# Altium PCB ushio_rp2040.PcbDoc (continued)
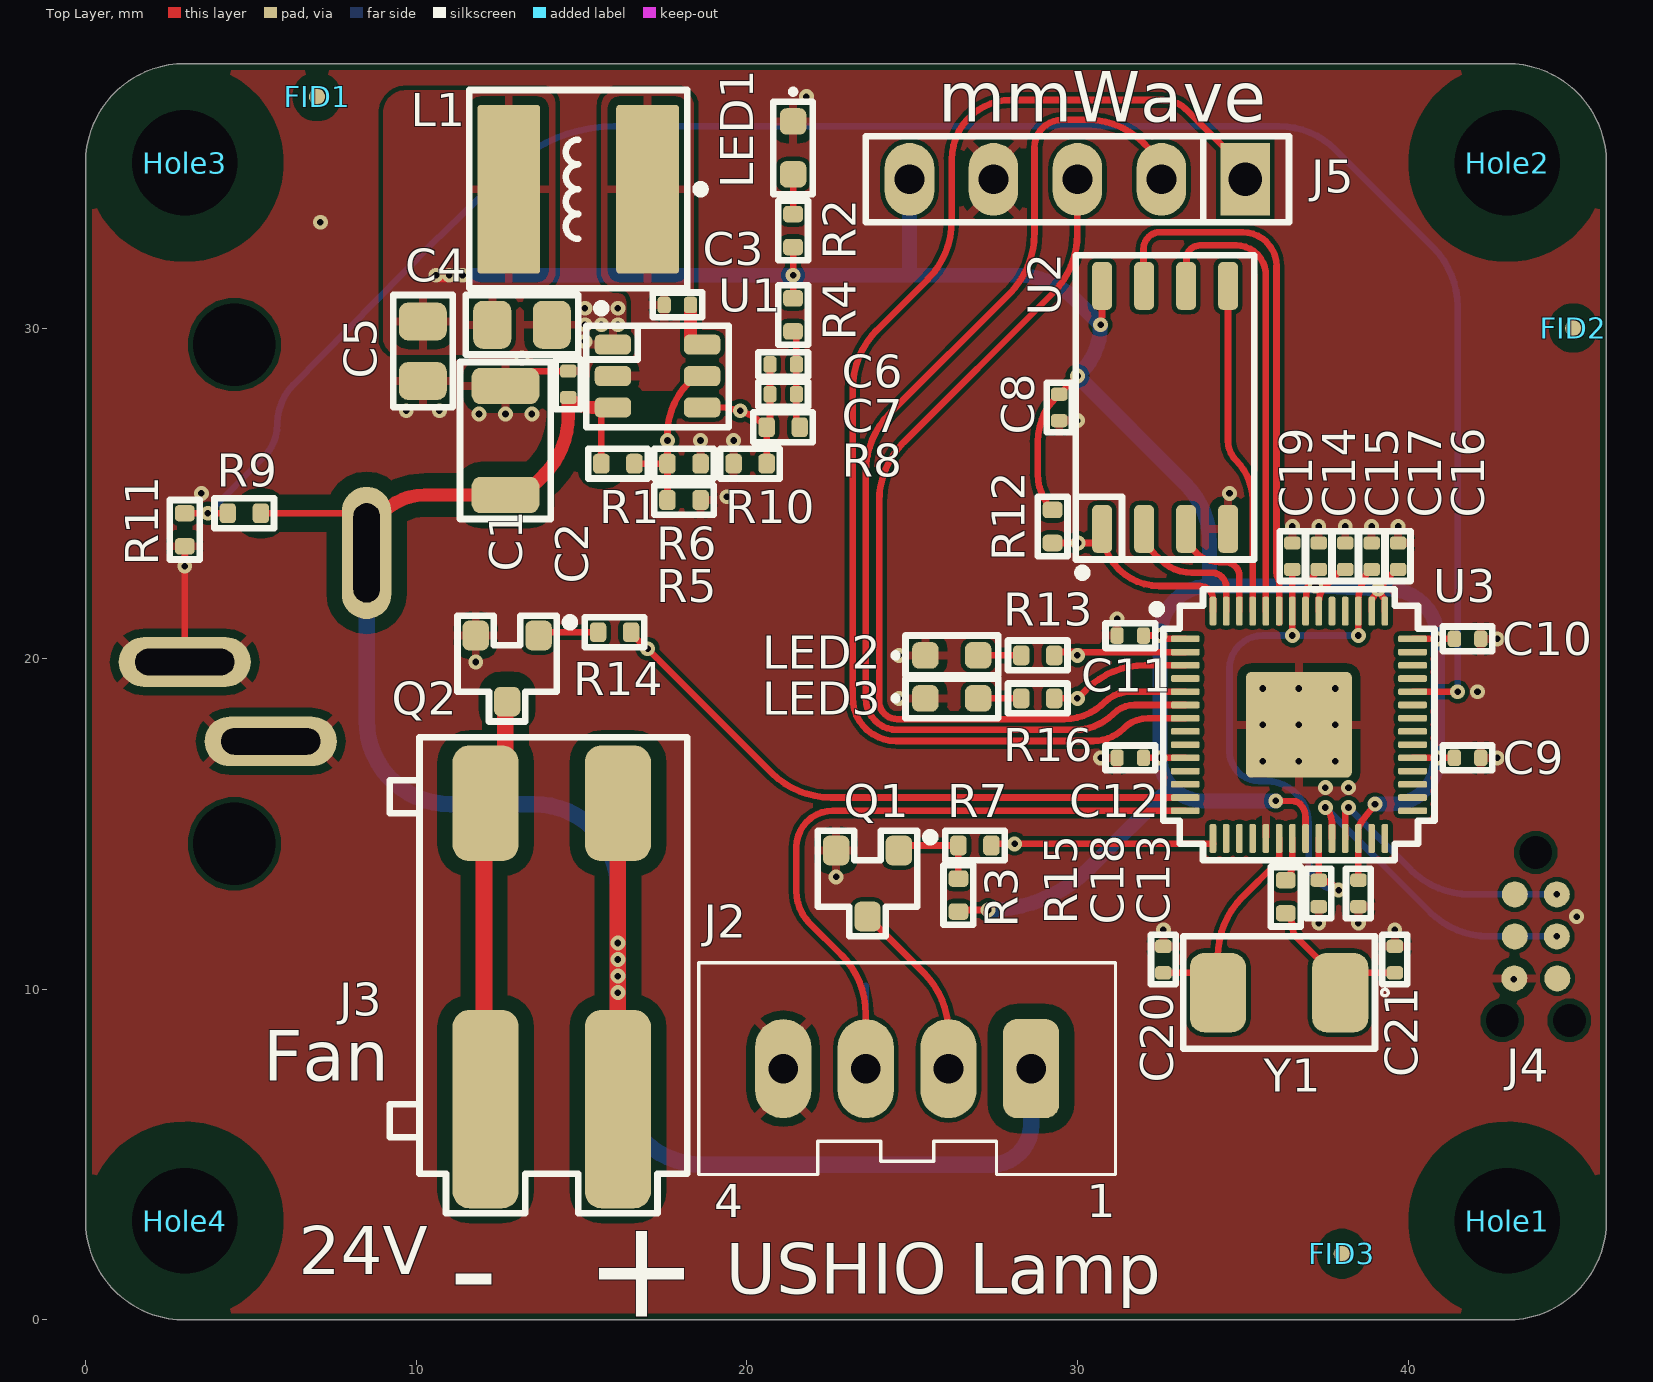
[diagram p0: Top Layer view]
## Part data (continued)
Q1 Q2: "N-FET, 30 V, 5.8 A, SOT-23-3", Drain Current-Max (Abs) (ID)=5.8A, Drain-source On Resistance-Max=28mR, DS Breakdown Voltage-Min=30V, Manufacturer=Diodes, Max Operating Temperature=150°C, Operating Mode="ENHANCEMENT MODE", Package=SOT-23-3, Package Body Material=Plastic, Package Shape=Rectangular, Package Style="SMALL OUTLINEMeter", Peak Reflow Temperature (Cel)=260°C, Power Dissipation-Max (Abs)=1.4W, Pulsed Drain Current-Max (IDM)=30A, Supplier Part Number 1=DMN3404LDITR-ND, Time @ Peak Reflow Temperature-Max (s)=40s, Additional Feature="HIGH RELIABILITY", Category=MOSFETs, ComponentLink1Description=https://datasheet.ciiva.com:443/pdfs/VipMasterIC/IC/DIOD/DIODS20277/DIODS20277-1.pdf?src-supplier=IHS+Markit, ComponentLink1URL=https://datasheet.ciiva.com:443/pdfs/VipMasterIC/IC/DIOD/DIODS20277/DIODS20277-1.pdf?src-supplier=IHS+Markit, ComponentLink2Description=https://datasheet.ciiva.com/4444/ds31787-65102-4444489.pdf?src-supplier=Mouser, ComponentLink2URL=https://datasheet.ciiva.com/4444/ds31787-65102-4444489.pdf?src-supplier=Mouser, ComponentLink3Description=https://datasheet.ciiva.com/8115/ds31787-8115384.pdf?src-supplier=Avnet, ComponentLink3URL=https://datasheet.ciiva.com/8115/ds31787-8115384.pdf?src-supplier=Avnet, ComponentLink4Description=https://datasheet.ciiva.com/16508/ds31787-16508477.pdf?src-supplier=Future+Electronics, ComponentLink4URL=https://datasheet.ciiva.com/16508/ds31787-16508477.pdf?src-supplier=Future+Electronics, ComponentLink5Description=https://datasheet.ciiva.com/8023/ds31787-8023981.pdf?src-supplier=Element14, ComponentLink5URL=https://datasheet.ciiva.com/8023/ds31787-8023981.pdf?src-supplier=Element14, ComponentLink6Description=https://datasheet.ciiva.com/934/ds31787-934594.pdf?src-supplier=Digi-Key, ComponentLink6URL=https://datasheet.ciiva.com/934/ds31787-934594.pdf?src-supplier=Digi-Key, ComponentLink7Description=https://datasheet.ciiva.com/934/ds31787-934595.pdf?src-supplier=Digi-Key, ComponentLink7URL=https://datasheet.ciiva.com/934/ds31787-934595.pdf?src-supplier=Digi-Key, ComponentLink8Description=https://datasheet.ciiva.com/934/ds31787-934593.pdf?src-supplier=Digi-Key, ComponentLink8URL=https://datasheet.ciiva.com/934/ds31787-934593.pdf?src-supplier=Digi-Key, Drain Current-Max (ID)=5.8A, FET Technology="METAL-OXIDE SEMICONDUCTOR", JESD-30 Code=R-PDSO-G3, JESD-609 Code=e3, Manufacturer Part Number=DMN3404L-7, Moisture Sensitivity Level=1, Number of Elements=1, Pins=3, Polarity/Channel Type=N-CHANNEL, Pricing 1="3000=0.07535, 6000=0.06781, 15000=0.06028, 30000=0.05651, 75000=0.05011, 150000=0.04822 (USD)", Qualification Status="Not Qualified", Reach SVHC Compliant=Yes, RoHS=Yes, RoHS Compliant=Yes, Stock 1=150000, Supplier 1=Digi-Key, Surface Mount=Yes, Terminal Finish=Tin, Terminal Form="Gull Wing", Terminal Position=DUAL, Transistor Application=SWITCHING, Transistor Element Material=SILICON
R1: "1 MΩ, 1%, 0402 Resistor", House Part Number=R-1M-0402-1%-001, Manufacturer=Yageo, Max Operating Temperature=155°C, Min Operating Temperature=-55°C, Package Height=0.35mm, Package Length=1mm, Package Shape=Rectangular, Package Style=SMTMeter, Package Width=0.5mm, Rated Power Dissipation (P)=62.5mW, Rated Temperature=70°C, Resistance=1MΩ, Resistor Type="FIXED RESISTOR", Supplier Part Number 1=311-1.00MLRCT-ND, Temperature Coefficient=100ppm/°C, Tolerance=1%, Working Voltage=50V, Additional Feature="LASER TRIMMABLE", Category="Chip SMD Resistors", ComponentLink1Description=https://datasheet.ciiva.com:443/pdfs/VipMasterIC/IC/YAGO/YAGO-S-A0008145938/YAGO-S-A0008145938-1.pdf?src-supplier=IHS+Markit, ComponentLink1URL=https://datasheet.ciiva.com:443/pdfs/VipMasterIC/IC/YAGO/YAGO-S-A0008145938/YAGO-S-A0008145938-1.pdf?src-supplier=IHS+Markit, ComponentLink2Description=http://www.farnell.com/datasheets/1836115.pdf?src-supplier=Farnell, ComponentLink2URL=http://www.farnell.com/datasheets/1836115.pdf?src-supplier=Farnell, ComponentLink3Description=http://www.farnell.com/datasheets/2167052.pdf?src-supplier=Farnell, ComponentLink3URL=http://www.farnell.com/datasheets/2167052.pdf?src-supplier=Farnell, ComponentLink4Description=http://www.farnell.com/datasheets/2167052.pdf?src-supplier=Element14, ComponentLink4URL=http://www.farnell.com/datasheets/2167052.pdf?src-supplier=Element14, Construction=Chip, JESD-609 Code=e3, Manufacturer Part Number=RC0402FR-071ML, Mount="Surface Mount", Number of Pins=2, Packaging="Tape and Reel", Pricing 1="1=0.10000, 10=0.01500, 100=0.00600, 1000=0.00267, 2500=0.00232, 5000=0.00192 (USD)", Reach SVHC Compliant=Yes, RoHS=Yes, RoHS Compliant=Yes, Size Code=0402, Stock 1=7104113, Supplier 1=Digi-Key, Technology="METAL GLAZE/THICK FILM", Terminal Finish=Nickel, Termination=Wraparound
R2 R7 R13 R14 R16: "100 Ω, 0402 Chip resistor", Case Code (Imperial)=0402, Case Code (Metric)=1005, Manufacturer="Stackpole Electronics", Max Operating Temperature=155°C, Max Power Dissipation=63mW, Min Operating Temperature=-55°C, Power Rating=62.5mW, Resistance=100Ω, Resistor Type="Thick Film", Supplier Part Number 1=RMCF0402FT100RCT-ND, Temperature Coefficient=100ppm/°C, Tolerance=1%, Case/Package=0402, Category="Chip SMD Resistors", ComponentLink1Description=http://components.arrow.com/part/dataview/50497758S7215546N1174?src-supplier=Arrow+Electronics, ComponentLink1URL=http://components.arrow.com/part/dataview/50497758S7215546N1174?src-supplier=Arrow+Electronics, ComponentLink2Description=https://www.seielect.com/catalog/sei-rmcf_rmcp.pdf?src-supplier=Digi-Key, ComponentLink2URL=https://www.seielect.com/catalog/sei-rmcf_rmcp.pdf?src-supplier=Digi-Key, ComponentLink3Description=https://www.seielect.com/Catalog/SEI-RMCF_RMCP.pdf?src-supplier=Avnet, ComponentLink3URL=https://www.seielect.com/Catalog/SEI-RMCF_RMCP.pdf?src-supplier=Avnet, ComponentLink4Description=https://www.verical.com/server-webapp/html/getDatasheet?partID=368652&src-supplier=Verical, ComponentLink4URL=https://www.verical.com/server-webapp/html/getDatasheet?partID=368652&src-supplier=Verical, ComponentLink5Description=https://www.seielect.com/Catalog/SEI-RMCF_RMCP.pdf?src-supplier=Avnet+Asia, ComponentLink5URL=https://www.seielect.com/Catalog/SEI-RMCF_RMCP.pdf?src-supplier=Avnet+Asia, Construction=Rectangular, Contact Plating=Tin,Matte, Depth=0.5mm, Features="Automotive AEC-Q200", Height=0.016inch, house_part_number=R-100-0402-1%-001, Lead Free="Lead Free", Length=1mm, Manufacturer Part Number=RMCF0402FT100R, Military Standard=Not, Mount="Surface Mount", Number of Terminations=2, Packaging="Tape and Reel", Pricing 1="1=0.10000, 10=0.01300, 100=0.00530, 1000=0.00238, 2500=0.00207, 5000=0.00171 (USD)", RoHS=Yes, RoHS Compliant=Yes, Series=RMCF, Stock 1=188482, Supplier 1=Digi-Key, Width=0.02inch
R3 R11 R12: "10 kΩ, 0402 Chip resistor", Case Code (Imperial)=0402, Case Code (Metric)=1005, Manufacturer="Stackpole Electronics", Max Operating Temperature=155°C, Max Power Dissipation=63mW, Min Operating Temperature=-55°C, Power Rating=62.5mW, Resistance=10kΩ, Resistor Type="Thick Film", Supplier Part Number 1=RMCF0402FT10K0CT-ND, Temperature Coefficient=100ppm/°C, Tolerance=1%, Case/Package=0402, Category="Chip SMD Resistors", ComponentLink1Description=https://datasheet.ciiva.com/24341/sei-rmcp-24341800.pdf?src-supplier=Onlinecomponents.com, ComponentLink1URL=https://datasheet.ciiva.com/24341/sei-rmcp-24341800.pdf?src-supplier=Onlinecomponents.com, Construction=Rectangular, Contact Plating=Tin,Matte, Depth=0.5mm, Features="Automotive AEC-Q200", Height=0.016inch, house_part_number=R-10k-0402-1%-001, Lead Free="Lead Free", Length=1mm, Manufacturer Part Number=RMCF0402FT10K0, Military Standard=Not, Mount="Surface Mount", Number of Terminations=2, Packaging="Tape and Reel", Pricing 1="1=0.10000, 10=0.01300, 100=0.00530, 1000=0.00239, 2500=0.00207, 5000=0.00171 (USD)", Radiation Hardening=No, RoHS=Yes, RoHS Compliant=Yes, Series=RMCF, Size Code=0402, Stock 1=7219214, Supplier 1=Digi-Key, Width=0.02inch
R4: "49.9 Ω, 0402 Chip resistor", Case Code (Imperial)=0402, Case Code (Metric)=1005, Manufacturer="Stackpole Electronics", Max Operating Temperature=155°C, Max Power Dissipation=63mW, Min Operating Temperature=-55°C, Resistance=49.9Ω, Resistor Type="Thick Film", Supplier Part Number 1=RMCF0402FT49R9CT-ND, Temperature Coefficient=100ppm/°C, Tolerance=1%, Case/Package=0402, Category="Chip SMD Resistors", ComponentLink1Description=http://components.arrow.com/part/dataview/44987983S6966749N1174?src-supplier=Arrow+Electronics, ComponentLink1URL=http://components.arrow.com/part/dataview/44987983S6966749N1174?src-supplier=Arrow+Electronics, ComponentLink2Description=https://www.verical.com/server-webapp/html/getDatasheet?partID=362596&src-supplier=Verical, ComponentLink2URL=https://www.verical.com/server-webapp/html/getDatasheet?partID=362596&src-supplier=Verical, ComponentLink3Description=http://www.seielect.com/Catalog/SEI-RMCF_RMCP.pdf?src-supplier=Future+Electronics, ComponentLink3URL=http://www.seielect.com/Catalog/SEI-RMCF_RMCP.pdf?src-supplier=Future+Electronics, ComponentLink4Description=https://www.seielect.com/catalog/SEI-RMCF_RMCP.pdf?src-supplier=Avnet, ComponentLink4URL=https://www.seielect.com/catalog/SEI-RMCF_RMCP.pdf?src-supplier=Avnet, ComponentLink5Description=https://www.seielect.com/Catalog/SEI-RMCF_RMCP.pdf?src-supplier=Digi-Key, ComponentLink5URL=https://www.seielect.com/Catalog/SEI-RMCF_RMCP.pdf?src-supplier=Digi-Key, Construction=Rectangular, Contact Plating=Tin,Matte, Depth=0.5mm, Features="Automotive AEC-Q200", Height=0.016inch, house_part_number=R-49.9-0402-1%-001, Lead Free="Lead Free", Length=1mm, Manufacturer Part Number=RMCF0402FT49R9, Military Standard=Not, Mount="Surface Mount", Number of Terminations=2, Packaging="Tape and Reel", Power Rating=63mW, Pricing 1="1=0.10000, 10=0.01300, 100=0.00530, 1000=0.00238, 2500=0.00207, 5000=0.00171 (USD)", Radiation Hardening=No, RoHS=Yes, RoHS Compliant=Yes, Series=RMCF, Size Code=0402, Stock 1=723706, Supplier 1=Digi-Key, Width=0.02inch
R5 R6 R8 R9: "100 kΩ, 0402 Chip resistor", Case/Package=0402, Manufacturer="Stackpole Electronics", Max Operating Temperature=155°C, Min Operating Temperature=-55°C, Package Height=0.3mm, Package Length=1mm, Package Shape=Rectangular, Package Style=SMTMeter, Package Width=0.5mm, Power=63mW, Rated Temperature=70°C, Resistor Type="FIXED RESISTOR", Supplier Part Number 1=RMCF0402FT100KCT-ND, Temperature Coefficient=100ppm/°C, Tolerance=1%, Working Voltage=50V, Category="Chip SMD Resistors", ComponentLink1Description=https://datasheet.ciiva.com:443/pdfs/VipMasterIC/IC/SEIE/SEIE-S-A0009541969/SEIE-S-A0009541969-1.pdf?src-supplier=IHS+Markit, ComponentLink1URL=https://datasheet.ciiva.com:443/pdfs/VipMasterIC/IC/SEIE/SEIE-S-A0009541969/SEIE-S-A0009541969-1.pdf?src-supplier=IHS+Markit, ComponentLink2Description=https://datasheet.ciiva.com/15193/getdatasheetpartid-482656-15193415.pdf?src-supplier=Verical, ComponentLink2URL=https://datasheet.ciiva.com/15193/getdatasheetpartid-482656-15193415.pdf?src-supplier=Verical, Construction=Rectangular, JESD-609 Code=e3, Manufacturer Part Number=RMCF0402FT100K, Mounting Technology="Surface Mount", Packaging="Tape and Reel", Pins=2, Pricing 1="1=0.1, 10=0.02, 50=0.011, 100=0.0089, 500=0.00566, 1000=0.00475, 5000=0.00328 (USD)", Reach SVHC Compliant=Yes, Reference Standard=AEC-Q200, RoHS=Yes, RoHS Compliant=Yes, Stock 1=3573736, Supplier 1=Digi-Key, Technology="METAL GLAZE/THICK FILM", Terminal Finish=Nickel, Termination=Wraparound
R10: "22.1 kΩ, 1%, 0402 Chip resistor", Case/Package=0402, Manufacturer="Stackpole Electronics", Max Operating Temperature=155°C, Min Operating Temperature=-55°C, Package Height=0.3mm, Package Length=1mm, Package Shape=Rectangular, Package Style=SMTMeter, Package Width=0.5mm, Power=63mW, Rated Temperature=70°C, Resistor Type="FIXED RESISTOR", Supplier Part Number 1=RMCF0402FT22K1DKR-ND, Temperature Coefficient=100ppm/°C, Tolerance=1%, Working Voltage=50V, Category="Chip SMD Resistors", ComponentLink1Description=https://datasheet.ciiva.com:443/pdfs/VipMasterIC/IC/SEIE/SEIE-S-A0009541969/SEIE-S-A0009541969-1.pdf?src-supplier=IHS+Markit, ComponentLink1URL=https://datasheet.ciiva.com:443/pdfs/VipMasterIC/IC/SEIE/SEIE-S-A0009541969/SEIE-S-A0009541969-1.pdf?src-supplier=IHS+Markit, ComponentLink2Description=http://components.arrow.com/part/dataview/50500388S32218N1174?src-supplier=Arrow+Electronics, ComponentLink2URL=http://components.arrow.com/part/dataview/50500388S32218N1174?src-supplier=Arrow+Electronics, ComponentLink3Description=https://www.seielect.com/catalog/SEI-RMCF_RMCP.pdf?src-supplier=Avnet, ComponentLink3URL=https://www.seielect.com/catalog/SEI-RMCF_RMCP.pdf?src-supplier=Avnet, ComponentLink4Description=https://www.seielect.com/Catalog/SEI-RMCF_RMCP.pdf?src-supplier=Digi-Key, ComponentLink4URL=https://www.seielect.com/Catalog/SEI-RMCF_RMCP.pdf?src-supplier=Digi-Key, ComponentLink5Description=https://www.seielect.com/catalog/SEI-Packaging.pdf?src-supplier=Digi-Key, ComponentLink5URL=https://www.seielect.com/catalog/SEI-Packaging.pdf?src-supplier=Digi-Key, Construction=Rectangular, JESD-609 Code=e3, Manufacturer Part Number=RMCF0402FT22K1, Mounting Technology="Surface Mount", Packaging="Tape and Reel", Pins=2, Pricing 1="1=0.1, 10=0.02, 50=0.011, 100=0.0089, 500=0.00566, 1000=0.00475, 5000=0.00328 (USD)", Reach SVHC Compliant=Yes, Reference Standard=AEC-Q200, RoHS=Yes, RoHS Compliant=Yes, Stock 1=536826, Supplier 1=Digi-Key, Technology="METAL GLAZE/THICK FILM", Terminal Finish=Nickel, Termination=Wraparound
R15: "1 kΩ, 0402 Chip resistor", Manufacturer=Bourns, Max Operating Temperature=125°C, Min Operating Temperature=-55°C, Package Height=0.35mm, Package Length=1mm, Package Shape=Rectangular, Package Style=SMTMeter, Package Width=0.5mm, Rated Power Dissipation (P)=62.5mW, Rated Temperature=70°C, Resistance=1kΩ, Resistor Type="FIXED RESISTOR", Supplier Part Number 1=CR0402-FX-1001GLFTR-ND, Temperature Coefficient=100ppm/°C, Tolerance=1%, Working Voltage=50V, Category="Chip SMD Resistors", ComponentLink1Description=https://datasheet.ciiva.com:443/pdfs/VipMasterIC/IC/BOUR/BOUR-S-A0008953887/BOUR-S-A0008953887-1.pdf?src-supplier=IHS+Markit, ComponentLink1URL=https://datasheet.ciiva.com:443/pdfs/VipMasterIC/IC/BOUR/BOUR-S-A0008953887/BOUR-S-A0008953887-1.pdf?src-supplier=IHS+Markit, ComponentLink2Description=https://datasheet.ciiva.com/5734/1845296-5734926.pdf?src-supplier=Farnell, ComponentLink2URL=https://datasheet.ciiva.com/5734/1845296-5734926.pdf?src-supplier=Farnell, ComponentLink3Description=https://datasheet.ciiva.com/11821/0900766b80fcdb41-11821108.pdf?src-supplier=RSComponents, ComponentLink3URL=https://datasheet.ciiva.com/11821/0900766b80fcdb41-11821108.pdf?src-supplier=RSComponents, ComponentLink4Description=https://datasheet.ciiva.com/9123/cr0402-9123631.pdf?src-supplier=Avnet, ComponentLink4URL=https://datasheet.ciiva.com/9123/cr0402-9123631.pdf?src-supplier=Avnet, ComponentLink5Description=https://datasheet.ciiva.com/30154/cr0402-30154590.pdf?src-supplier=Onlinecomponents.com, ComponentLink5URL=https://datasheet.ciiva.com/30154/cr0402-30154590.pdf?src-supplier=Onlinecomponents.com, Construction=Chip, JESD-609 Code=e3, Manufacturer Part Number=CR0402-FX-1001GLF, Mount="Surface Mount", Number of Pins=2, Packaging="Tape and Reel", Pricing 1="10000=0.00114 (USD)", REACH SVHC=Yes, RoHS=Yes, RoHS Compliant=Yes, Size Code=0402, Stock 1=398310, Supplier 1=Digi-Key, Technology="RUTHENIUM OXIDE", Terminal Finish=Nickel, Termination=Wraparound
TP1 TP2 TP3 TP4 TP5 TP6 TP7 TP8 TP9 TP10 TP11 TP12: "Test point", pickable=no
U1: library part TPS54202DDCR, "Switching Regulator, Current-mode, 2A, 500kHz Switching Freq-Max, PDSO6", Case/Package=SOT-23-6, Frequency=590kHz, Manufacturer="Texas Instruments", Max Operating Temperature=125°C, Max Output Current=3.9A, Max Supply Voltage=28V, Min Input Voltage=4.5V, Min Operating Temperature=-40°C, Nominal Supply Voltage=12V, Package Body Material=Plastic, Package Shape=Rectangular, Package Style="SMALL OUTLINE, THIN PROFILE, SHRINK PITCHMeter", Supplier Part Number 1=296-TPS54202DDCRDKR-ND, Temperature Grade=AUTOMOTIVE, Category="Voltage Regulators - Switching", Channels=1, ComponentLink1Description=https://www.ti.com:443/lit/ds/symlink/tps54202.pdf?src-supplier=IHS+Markit, ComponentLink1URL=https://www.ti.com:443/lit/ds/symlink/tps54202.pdf?src-supplier=IHS+Markit, ComponentLink2Description=http://www.ti.com/general/docs/suppproductinfo.tsp?distId=10&gotoUrl=http%3A%2F%2Fwww.ti.com%2Flit%2Fgpn%2Ftps54202&src-supplier=Digi-Key, ComponentLink2URL=http://www.ti.com/general/docs/suppproductinfo.tsp?distId=10&gotoUrl=http%3A%2F%2Fwww.ti.com%2Flit%2Fgpn%2Ftps54202&src-supplier=Digi-Key, ComponentLink3Description=http://www.ti.com/lit/ds/symlink/tps54202.pdf?src-supplier=Digi-Key, ComponentLink3URL=http://www.ti.com/lit/ds/symlink/tps54202.pdf?src-supplier=Digi-Key, ComponentLink4Description=http://www.ti.com/general/docs/suppproductinfo.tsp?distId=10&amp;gotoUrl=http%3A%2F%2Fwww.ti.com%2Flit%2Fgpn%2Ftps54202&src-supplier=Digi-Key, ComponentLink4URL=http://www.ti.com/general/docs/suppproductinfo.tsp?distId=10&amp;gotoUrl=http%3A%2F%2Fwww.ti.com%2Flit%2Fgpn%2Ftps54202&src-supplier=Digi-Key, Control Mode=CURRENT-MODE, Control Technique="PULSE WIDTH MODULATION", Height - Seated (Max)=1.1mm, JESD-30 Code=R-PDSO-G6, JESD-609 Code=e3, Length=2.9mm, Manufacturer Part Number=TPS54202DDCR, Moisture Sensitivity Level=1, Pins=6, Pricing 1="1=1.29, 10=1.154, 25=1.0956, 100=0.9001, 250=0.8414, 500=0.74356, 1000=0.58702 (USD)", Reach SVHC Compliant=Yes, RoHS=Yes, RoHS Compliant=Yes, Stock 1=4766, Supplier 1=Digi-Key, Surface Mount=Yes, Switcher Configuration=BUCK, Terminal Finish=Tin, Terminal Form="Gull Wing", Terminal Pitch=0.95mm, Terminal Position=DUAL, Throw Configuration="SWITCHING REGULATOR", Width=1.6mm
U2: library part "W25Q128JVSIM TR", "128Mb SPI flash memory", Case/Package=SOIC-8, Frequency=133MHz, Manufacturer=Winbond, Max Operating Temperature=85°C, Min Operating Temperature=-40°C, Supplier Part Number 1=W25Q128JVSIMCT-ND, ComponentLink1Description=http://www.winbond.com/resource-files/w25q128jv_dtr%20revc%2003272018%20plus.pdf?src-supplier=Digi-Key, ComponentLink1URL=http://www.winbond.com/resource-files/w25q128jv_dtr%20revc%2003272018%20plus.pdf?src-supplier=Digi-Key, house_part_number=W25Q128JVSIM, Manufacturer Part Number="W25Q128JVSIM TR", Memory Size=128Mb, Memory Type=Non-Volatile,FLASH, Mount="Surface Mount", Number of Pins=8, Packaging="Cut Tape", Pricing 1="1=1.69, 10=1.545, 25=1.5028, 50=1.495, 100=1.3364, 250=1.3325, 500=1.3124, 1000=1.2567 (USD)", Stock 1=0, Supplier 1=Digi-Key
U3: "Raspberry Pi microcontroller, QFN-56", Manufacturer="Raspberry Pi", Package=QFN-56, Supplier Part Number=49AJ8739, Category=Uncategorized, Manufacturer Part Number=RP2040, Pricing="1=1 (USD)", RoHS=No, Stock=720, Supplier=Newark
Y1: "8 MHz crystal, 20 pF, ±50ppm, SMD-5032", Frequency=8MHz, Manufacturer=YXC, Package=SMD-5032, Supplier Part Number 1=C115962, Manufacturer Part Number=X50328MSB2GI, Pricing 1="5=0.1818, 50=0.1439, 150=0.1254, 1000=0.1089, 2000=0.1043, 5000=0.1016 (USD)", RoHS=No, Stock 1=138605, Supplier 1=LCSC

## Via types
v1: diameter 0.45, hole 0.2, Top Layer to Bottom Layer, tented both sides, 79 vias
v2: diameter 0.5, hole 0.2, Top Layer to Bottom Layer, 9 vias

## Nets (pads, with @x,y where several pads share a name; then routed paths per layer and width w, separated by ;. In a path a pad name is that pad's centre, name@x,y a point inside that pad or via, vN(x,y) a via of type N, cw(c..) or ccw(c..) an arc to the next point about the centre after c; other vN are vias at no path point)
+3.3V: C4.2 C5.2 C8.2 C9.2 C10.2 C11.2 C12.2 C13.2 C14.2 C15.2 C16.2 J5.5 L1.2 R2.2 R3.1 R4.2 R12.2 TP2.1 U2.8 U3.1 U3.10 U3.22 U3.26 U3.33 U3.42 U3.43 U3.44 U3.48 U3.49 | length 87.5
  Top Layer w0.2: R4.2 R2.2 ; R3.1@26.279,12.3 ccw(c26.279,12.471) R3.1 cw(c26.521,12.229) 26.521,12.4 v1(27.3,12.4) ; R12.2 cw(c30.336,25.586) 28.8,25.586 28.8,26.554 cw(c30.723,26.554) 28.928,27.242 28.995,27.417 cw(c29.3,27.3) 29.03,27.485 29.136,27.639 cw(c30.723,26.554) 29.317,27.866 29.334,27.884 29.349,27.9 29.363,27.913 C8.2 v1(30.001,28.551) ; 30.745,30.347 U2.8 ; C12.2 v1(32.5,17) U3.10 ; C11.2 v1(32.5,20.7) ; v1@32.5,20.6 U3.1 ; v1(36,15.7) 36.554,15.689 cw(c36.55,15.489) 36.627,15.674 cw(c36.495,15.355) 36.739,15.599 cw(c36.351,15.21) 36.9,15.21 U3.22 ; U3.49 36.9,21.734 cw(c38.266,21.734) 36.901,21.776 cw(c38.266,21.734) C14.2 ; U3.48 37.3,21.717 cw(c37.983,21.717) 37.5,22.2 37.929,22.629 cw(c38.1,22.459) C15.2 ; C13.2 U3.26 38.5,14.804 cw(c38.945,14.804) 38.519,14.932 38.611,15.09 cw(c38.85,14.95) 38.63,15.119 v1(39,15.6) ; U3.44 38.9,21.775 v1(39.1,22.1) ; U3.43 39.3,21.775 39.176,21.957 cw(c39.342,22.069) 39.164,21.977 v1(39.1,22.1) ; C16.2 39.55,22.6 v1(39.1,22.1) ; U3.33 v1(40.9,17) C9.2 ; U3.42 v1(40.9,20.6) C10.2
  Top Layer w0.45: v1(10.6,31.6) v1(11,31.6)
  Bottom Layer w0.45: v1(10.6,31.6) v1(11,31.6) v1(11.4,31.6) v1(21.4,31.6) 24.9,31.6 ; J5.5 24.92,31.648 cw(c24.852,31.648) 24.9,31.6 ; v1(27.3,12.4) ccw(c27.3,16.746) 30.372,13.672 32.8,16.1 ; v1(36,15.7) 33.8,15.7 cw(c33.8,17) v1(32.5,17) v1(32.5,20.7) cw(c34,20.7) 34,22.2 ; v1(39,15.6) 39.5,15.6 ccw(c39.5,17) v1(40.9,17) 40.9,18.929 ccw(c40.45,18.929) 40.899,18.959 cw(c41.5,19) 40.899,19.041 ccw(c40.45,19.071) 40.9,19.071 v1(40.9,20.6) ccw(c39.4,20.6) 39.4,22.1 v1(39.1,22.1) ; v1@39.13,22.097 ccw(c39.075,21.651) 39.102,22.1 v1(39.1,22.1) ; 24.9,31.6 28.148,31.6 cw(c28.148,29.06) 29.944,30.856 v1(30.7,30.1) cw(c28.648,30.1) 30.099,28.649 v1(30.001,28.551) 33.256,25.296 cw(c31.46,23.5) 34,23.5 34,22.2 ; 34,22.2 v1(37.2,22.2) v1(39.1,22.1)
+24V: C1.2 C2.2 J1.5 J2.1 J3.1 R1.2 R9.2 TP1.1 U1.3 | length 65.4
  Top Layer w0.2: R9.2 J1.5@8.6,24.4 ; R1.2 U1.3@15.6,27.6
  Top Layer w0.4: J1.5 cw(c10.25,23.2) 10.25,24.95 C1.2 ccw(c12.7,26.278) 13.639,25.339 13.856,25.556 ccw(c12.06,27.352) 14.6,27.352 C2.2 ccw(c15.324,28.624) 15.324,27.6 15.6,27.6 U1.3
  Top Layer w0.5: J3.1@16.1,6.375 v1(16.1,9.9) v1(16.1,10.4) v1(16.1,10.9) v1(16.1,11.4) J3.1@16.1,15.625
  Bottom Layer w0.2: J1.5 cw(c10.2,23.2) 10.2,24.9 TP1.1
  Bottom Layer w0.5: J1.5 8.5,18.14 ccw(c11.04,18.14) 11.04,15.6 13.56,15.6 cw(c13.56,13.06) 16.1,13.06 v1(16.1,11.4) v1(16.1,10.9) v1(16.1,10.4) v1(16.1,9.9) 16.1,7.24 ccw(c18.64,7.24) 18.64,4.7 27.4,4.7 ccw(c27.4,5.9) 28.6,5.9 J2.1
\LAMP_ENABLE: R7.1 TP7.1 U3.15 | length 6.7
  Top Layer w0.2: R7.1 27.525,14.4 U3.15@34.1,14.4
  other v1: 28.1,14.4
\LAMP_STATUS: J2.3 TP5.1 U3.14 | length 22.3
  Top Layer w0.2: J2.3 23.6,9.248 ccw(c21.06,9.248) 22.856,11.044 21.9,12 cw(c22.866,12.966) 21.5,12.966 21.5,14.3 cw(c22.6,14.3) 22.6,15.4 U3.14
  Bottom Layer w0.2: J2.3 TP5.1
FAN_ENABLE: R14.1 TP11.1 U3.13 | length 18.7
  Top Layer w0.2: R14.1 16.625,20.625 16.989,20.31 cw(c16.858,20.159) v1@16.999,20.301 ; v1(17,20.3) 20.756,16.544 ccw(c22.552,18.34) 22.552,15.8 U3.13
GND: C1.1 C2.1 C4.1 C5.1 C8.1 C9.1 C10.1 C11.1 C12.1 C13.1 C14.1 C15.1 C16.1 C17.1 C18.1 C19.1 C20.1 C21.1 J1.2 J1.3 J2.4 J4.5 J5.4 LED1.2 LED2.2 LED3.2 Q1.2 Q2.2 R5.1 R6.1 R10.1 R11.1 TP6.1 U1.1 U2.4 U3.19 U3.EP | length 5.7
  Top Layer w0.2: J1.2 R11.1 ; C1.1 cw(c13.15,28.25) 13.15,28.7 C2.1
  other v1: 43.2,10.3 32.6,11.8 39.6,11.8 37.3,12 38.5,12 45.1,12.2 22.7,13.4 37.5,16.1 38.2,16.1 30.7,17 42.7,17 24.6,18.8 42.1,19 11.8,19.9 24.6,20.1 42.7,20.6 31.2,21.2 3,22.8 36.5,24 37.3,24 38.1,24 38.9,24 39.7,24 19.4,24.9 3.5,25 34.6,25 18.6,26.6 19.6,26.6 30,27.2 11.9,27.4 12.7,27.4 13.5,27.4 9.7,27.5 10.7,27.5 13.2,29.1 15.1,29.6 15.1,30.1 15.6,30.1 16.1,30.1 15.1,30.6 15.6,30.6 16.1,30.6 7.1,33.2 21.8,37
  other v2: 35.6,16.9 36.7,16.9 37.8,16.9 35.6,18 36.7,18 37.8,18 35.6,19.1 36.7,19.1 37.8,19.1
LED0: R13.2 TP10.1 U3.2 | length 4.1
  Top Layer w0.2: R13.2 29.402,20.202 30,20.201 v1@30.1,20.201 ; v1(30,20.1) 30.102,20.202 32.7,20.2 U3.2
LED1: R16.2 TP12.1 U3.3 | length 4.3
  Top Layer w0.2: R16.2 v1(30,18.8) 30.256,19.056 cw(c32.052,17.26) 32.052,19.8 U3.3
MMWAVE_OUT: J5.3 U3.5 | length 27.8
  Top Layer w0.2: J5.3 30,32.852 cw(c27.46,32.852) 29.256,31.056 24.744,26.544 ccw(c26.54,24.748) 24,24.748 24,18.726 ccw(c24.553,18.726) 24.553,18.173 29.594,18.173 ccw(c29.594,19.9) 30.552,18.463 ccw(c29.594,19.9) 30.607,18.501 ccw(c29.594,19.9) 30.815,18.679 cw(c31.591,17.904) 31.591,19 U3.5
MMWAVE_RX: J5.2 U3.6 | length 34.2
  Top Layer w0.2: J5.2 ccw(c31.188,34.5) 32.144,35.456 32,35.6 ccw(c30.31,33.91) 30.31,36.3 29.544,36.3 ccw(c29.544,35.456) 28.7,35.456 28.7,32.852 cw(c26.16,32.852) 27.956,31.056 24.344,27.444 ccw(c26.14,25.648) 23.6,25.648 23.6,18.799 ccw(c24.553,18.799) 24.553,17.846 29.916,17.846 ccw(c29.916,19.494) 30.706,18.048 ccw(c29.916,19.494) 30.808,18.108 ccw(c29.916,19.494) 31.081,18.329 cw(c31.737,17.673) 31.737,18.6 U3.6
MMWAVE_TX: J5.1 U3.7 | length 39.3
  Top Layer w0.2: U3.7 32.143,18.2 ccw(c32.143,17.157) 31.637,18.069 ccw(c32.143,17.157) 31.499,17.978 ccw(c32.143,17.157) 31.405,17.894 cw(c30.475,18.824) 31.057,17.645 cw(c30.475,18.824) 30.475,17.509 24.518,17.509 cw(c24.518,18.828) 23.2,18.828 23.2,28.148 cw(c25.74,28.148) 23.944,29.944 25.456,31.456 ccw(c23.66,33.252) 26.2,33.252 26.2,35.1 cw(c28,35.1) 28,36.9 32.6,36.9 cw(c32.6,35.934) 33.283,36.617 34.43,35.47 J5.1
NetC3_1: C3.1 L1.1 U1.2
NetC3_2: C3.2 U1.6 | length 1.1
  Top Layer w0.4: U1.6@18.3,29.6 C3.2
NetC6_1: C6.1 C7.1 R8.1 R10.2 TP4.1 U1.4 | length 5.1
  Top Layer w0.2: U1.4 19.151,27.6 cw(c19.151,25.551) R8.1 ; R10.2 R8.1 ; C6.1 C7.1 20.7,27.241 cw(c20.359,27.241) R8.1
  other v1: 19.8,27.5
NetC6_2: C6.2 C7.2 R4.1 R8.2 | length 3
  Top Layer w0.2: R4.1 cw(c21.159,29.659) 21.5,29.659 C6.2 C7.2 21.5,27.241 ccw(c21.841,27.241) R8.2
NetC17_2: C17.2 C18.2 C19.2 U3.23 U3.45 U3.50 | length 19.2
  Top Layer w0.2: v1(36.5,20.7) U3.50 C19.2 ; U3.23 C18.2 cw(c37.3,12.576) 37.812,13.088 v1(37.9,13) ; v1(38.5,20.7) U3.45 38.5,21.734 cw(c39.866,21.734) 38.615,22.283 38.713,22.513 38.75,22.6 C17.2
  Bottom Layer w0.2: v1(37.9,13) cw(c37.9,13.9) 37,13.9 37,15 ccw(c35.7,15) 35.7,16.3 35.5,16.3 cw(c35.5,17.2) 34.6,17.2 34.6,19.7 cw(c35.6,19.7) 35.6,20.7 v1(36.5,20.7) v1(38.5,20.7)
NetC20_2: C20.2 U3.20 Y1.2 | length 7
  Top Layer w0.2: C20.2 Y1.2@34.25,10.5 ; Y1.2 Y1.2@34.25,10.5 ; U3.20 36.1,14.041 cw(c35.759,14.041) 36,13.8 34.994,12.794 ccw(c36.79,10.998) 34.25,10.998 Y1.2@34.25,10.5
NetC21_2: C21.2 R15.1 Y1.1 | length 4.9
  Top Layer w0.2: R15.1 36.359,12.241 cw(c36.017,11.9) 36.5,11.9 ccw(c36.983,11.9) 36.641,11.559 Y1.1@37.95,10.25 ; Y1.1 Y1.1@37.95,10.25 ; C21.2 37.95,10.5 Y1.1@37.95,10.25
NetJ2_2: J2.2 Q1.3 | length 5.5
  Top Layer w0.2: Q1.3 25.356,10.494 cw(c23.56,8.698) 26.05,9.199 cw(c23.56,8.698) 26.1,8.698 J2.2
NetJ3_2: J3.2 Q2.3 | length 12.7
  Top Layer w0.5: J3.2@12.05,15.625 12.05,6.496 ccw(c12.221,6.496) J3.2@12.1,6.375 ; J3.2@12.1,15.625 12.6,16.125 12.633,16.182 ccw(c12.2,16.432) 12.7,16.432 Q2.3@12.7,18.877
NetLED1_1: LED1.1 R2.1 | length 1.2
  Top Layer w0.2: R2.1 LED1.1
NetLED2_1: LED2.1 R13.1 | length 1.3
  Top Layer w0.2: LED2.1 R13.1
NetLED3_1: LED3.1 R16.1 | length 1.3
  Top Layer w0.2: LED3.1 R16.1
NetQ1_1: Q1.1 R3.2 R7.2 | length 2.8
  Top Layer w0.2: Q1.1 cw(c24.962,13.838) 24.962,14.35 R7.2 R3.2
NetQ2_1: Q2.1 R14.2 | length 1.8
  Top Layer w0.2: Q2.1 cw(c13.939,20.462) 13.939,20.8 R14.2
NetR1_1: R1.1 R5.2 R6.2 TP3.1 U1.5 | length 5.1
  Top Layer w0.2: R1.1@16.725,26.075 R1.1 R6.2 ; v1@17.501,26.532 ccw(c17.4,26.704) 17.515,26.54 17.598,26.599 ccw(c17.484,26.763) v1(17.6,26.6) ; R5.2 R6.2 ; U1.5@18.248,28.356 ccw(c19.813,26.791) 17.6,26.791 v1(17.6,26.6) ; R6.2 v1(17.6,26.6)
NetR15_2: R15.2 U3.21 | length 1.3
  Top Layer w0.2: R15.2 ccw(c35.817,13.783) 36.5,13.783 U3.21
QSPI_SCLK: U2.6 U3.52 | length 14.1
  Top Layer w0.2: U2.6 33.3,31.275 33.3,32.1 cw(c33.7,32.1) 33.7,32.5 34.8,32.5 cw(c34.8,31.6) 35.695,31.696 ; 35.696,23.999 35.696,23.5 35.696,22.6 ccw(c36.35,22.6) 35.699,22.537 cw(c35.5,22.517) 35.7,22.517 U3.52 ; 35.696,24 35.696,31.676 ccw(c35.496,31.676) 35.695,31.696
QSPI_SDO0: U2.5 U3.53 | length 10
  Top Layer w0.2: U2.5 34.555,26.592 ccw(c35.392,26.592) 34.8,26 cw(c33.593,24.793) 35.182,25.417 cw(c33.593,24.793) 35.3,24.793 U3.53
QSPI_SDO1: U2.2 U3.55 | length 4.2
  Top Layer w0.2: U2.2 ccw(c33.077,23.925) 32.326,23.174 32.5,23 ccw(c33.466,23.966) 33.466,22.6 34.064,22.6 cw(c34.064,22.164) 34.5,22.164 U3.55
QSPI_SDO2: U2.3 U3.54 | length 3.5
  Top Layer w0.2: U2.3 ccw(c34.288,23.925) 33.9,23 ccw(c34.288,23.925) 34.288,22.922 34.468,22.922 cw(c34.468,22.49) 34.9,22.49 U3.54
QSPI_SDO3: U2.7 U3.51 | length 16.8
  Top Layer w0.2: U2.7 32,31.275 32,32.4 cw(c32.5,32.4) 32.5,32.9 35,32.9 cw(c35,31.877) 36.023,31.877 36.023,24.023 cw(c35.823,24.023) 36.023,24.017 ccw(c36.5,24) 36.023,23.984 cw(c35.823,23.977) 36.023,23.977 36.023,22.6 ccw(c36.35,22.6) 36.025,22.568 ccw(c36.35,22.6) 36.071,22.43 cw(c35.9,22.326) 36.1,22.326 U3.51 U3.51@36.1,21.083
QSPI_SS: R12.1 TP9.1 U2.1 U3.56 | length 6.6
  Top Layer w0.2: R12.1@29.2,23.379 cw(c29.371,23.379) R12.1 v1(30.024,23.5) U2.1@30.798,23.5 ; U2.1 ccw(c32.47,23.925) U2.1@30.798,23.5 ; U2.1@30.8,23.5 U2.1@30.798,23.5 ; U3.56 34.1,21.8 ccw(c33.7,21.8) 33.7,22.2 32.47,22.2 cw(c32.47,23.925) U2.1@30.798,23.5
SWCLK: J4.4 U3.24 | length 9.5
  Top Layer w0.2: v1(37.5,15.5) cw(c37.017,15.017) 37.7,15.017 U3.24
  Bottom Layer w0.2: v1(37.5,15.5) 40.656,12.344 ccw(c42.452,14.14) 42.452,11.6 v1(44.5,11.6)
SWDIO: J4.2 U3.25 | length 8.2
  Top Layer w0.2: U3.25 38.1,15.259 cw(c38.441,15.259) v1(38.2,15.5)
  Bottom Layer w0.2: v1(38.2,15.5) 40.086,13.614 ccw(c41.882,15.41) 41.882,12.87 v1(44.5,12.87)
VSENSE: R9.1 R11.2 TP8.1 U3.38 | length 60
  Top Layer w0.2: R11.2 v1(3.7,24.4) R9.1 ; U3.38 v1(41.5,19)
  Bottom Layer w0.2: v1(3.7,24.4) 5.376,26.076 ; 5.377,26.077 ccw(c4.351,27.1) 5.8,27.1 cw(c7.49,27.1) 6.295,28.295 ccw(c6.154,28.437) 6.297,28.297 10.459,32.535 cw(c10.8,32.2) 10.468,32.543 12.754,34.754 cw(c15.998,31.518) 15.998,36.1 36.11,36.1 cw(c36.11,33.71) 37.452,35.687 cw(c36.11,33.71) 37.8,35.4 40.756,32.444 cw(c38.96,30.648) 41.5,30.648 41.5,23.1 v1(41.5,19)
pads on no net: FID1. FID2. FID3. Hole1. Hole2. Hole3. Hole4. J1. J4. J4.1 J4.3 J4.6 U3.4 U3.8 U3.9 U3.11 U3.12 U3.16 U3.17 U3.18 U3.27 U3.28 U3.29 U3.30 U3.31 U3.32 U3.34 U3.35 U3.36 U3.37 U3.39 U3.40 U3.41 U3.46 U3.47

## Polygon pours and split planes (outlines as drawn)
GND on Top Layer "NONET_L-01_P-001" (solid, pour order 2): 0,0 0,38 46,38 46,0
NetC3_1 on Top Layer "NONET_L-01_P-001" (solid, pour order 0): 17.8,28.1 ccw(c17.8,28.7) 18.4,28.7 18.4,36.7 ccw(c17.9,36.7) 17.9,37.2 16.1,37.2 ccw(c16.1,36.7) 15.6,36.7 15.6,31.7 ccw(c16.1,31.7) 16.1,31.2 cw(c16.1,30.8) 16.5,30.8 16.5,29.2 cw(c16.3,29.2) 16.3,29 15.4,29 ccw(c15.4,28.9) 15.3,28.9 15.3,28.2 ccw(c15.4,28.2) 15.4,28.1
+3.3V on Top Layer "NONET_L-01_P-001" (solid, pour order 1): 13.8,37.2 cw(c13.8,36.8) 14.2,36.8 14.2,31.7 cw(c13.7,31.7) 13.7,31.2 ccw(c13.7,30.7) 13.2,30.7 13.2,29.6 cw(c12.8,29.6) 12.8,29.2 9.5,29.2 cw(c9.5,29.7) 9,29.7 9,36.5 cw(c9.7,36.5) 9.7,37.2
GND on Signal Layer 1 "NONET_L-01_P-001" (solid, pour order 3): 0,0 0,38 46,38 46,0
GND on Signal Layer 2 "NONET_L-01_P-001" (solid, pour order 4): 0,0 0,38 46,38 46,0
GND on Bottom Layer "NONET_L-01_P-001" (solid, pour order 5): 0,0 0,38 46,38 46,0

## Silkscreen, mask and mechanical layers (free items; w line width, h text height)
Top Overlay:
  text "24V" at 6.453,0.897 h2.5
  text "-" at 11,0.1 h3
  text "+" at 15.1,0.1 h3
Bottom Overlay:
  drawing of 41 lines, arcs and shapes, not listed
  text "'.Project' '.Revision'" at 37.506,36.26 h2
  text ".Print_Date" at 23.098,34.069 h2
  text "+3.3V" at 25.531,32.8 h2 r90
  text "GND" at 28.04,32.8 h2 r90
  text "OUT" at 30.58,32.8 h2 r90
  text "RX" at 33.14,32.8 h2 r90
  text "TX" at 35.74,32.8 h2 r90
  text "Created by Rachel at:" at 19.42,7.537 h2
  text "GND" at 21.9,5.9 h2.5 r90
  text "STAT" at 24.4,5.9 h2.5 r90
  text "EN" at 26.9,5.9 h2.5 r90
  text "+24V" at 29.403,5.9 h2.5 r90

## Text inside footprints (layer, text, board x,y; h text height)
J2: Top Overlay "4" at 19.017,3.1 h1; Top Overlay "1" at 30.283,3.1 h1